# Altium PCB PCB_with_drawing.PcbDoc (part 4 of 5) (continued)
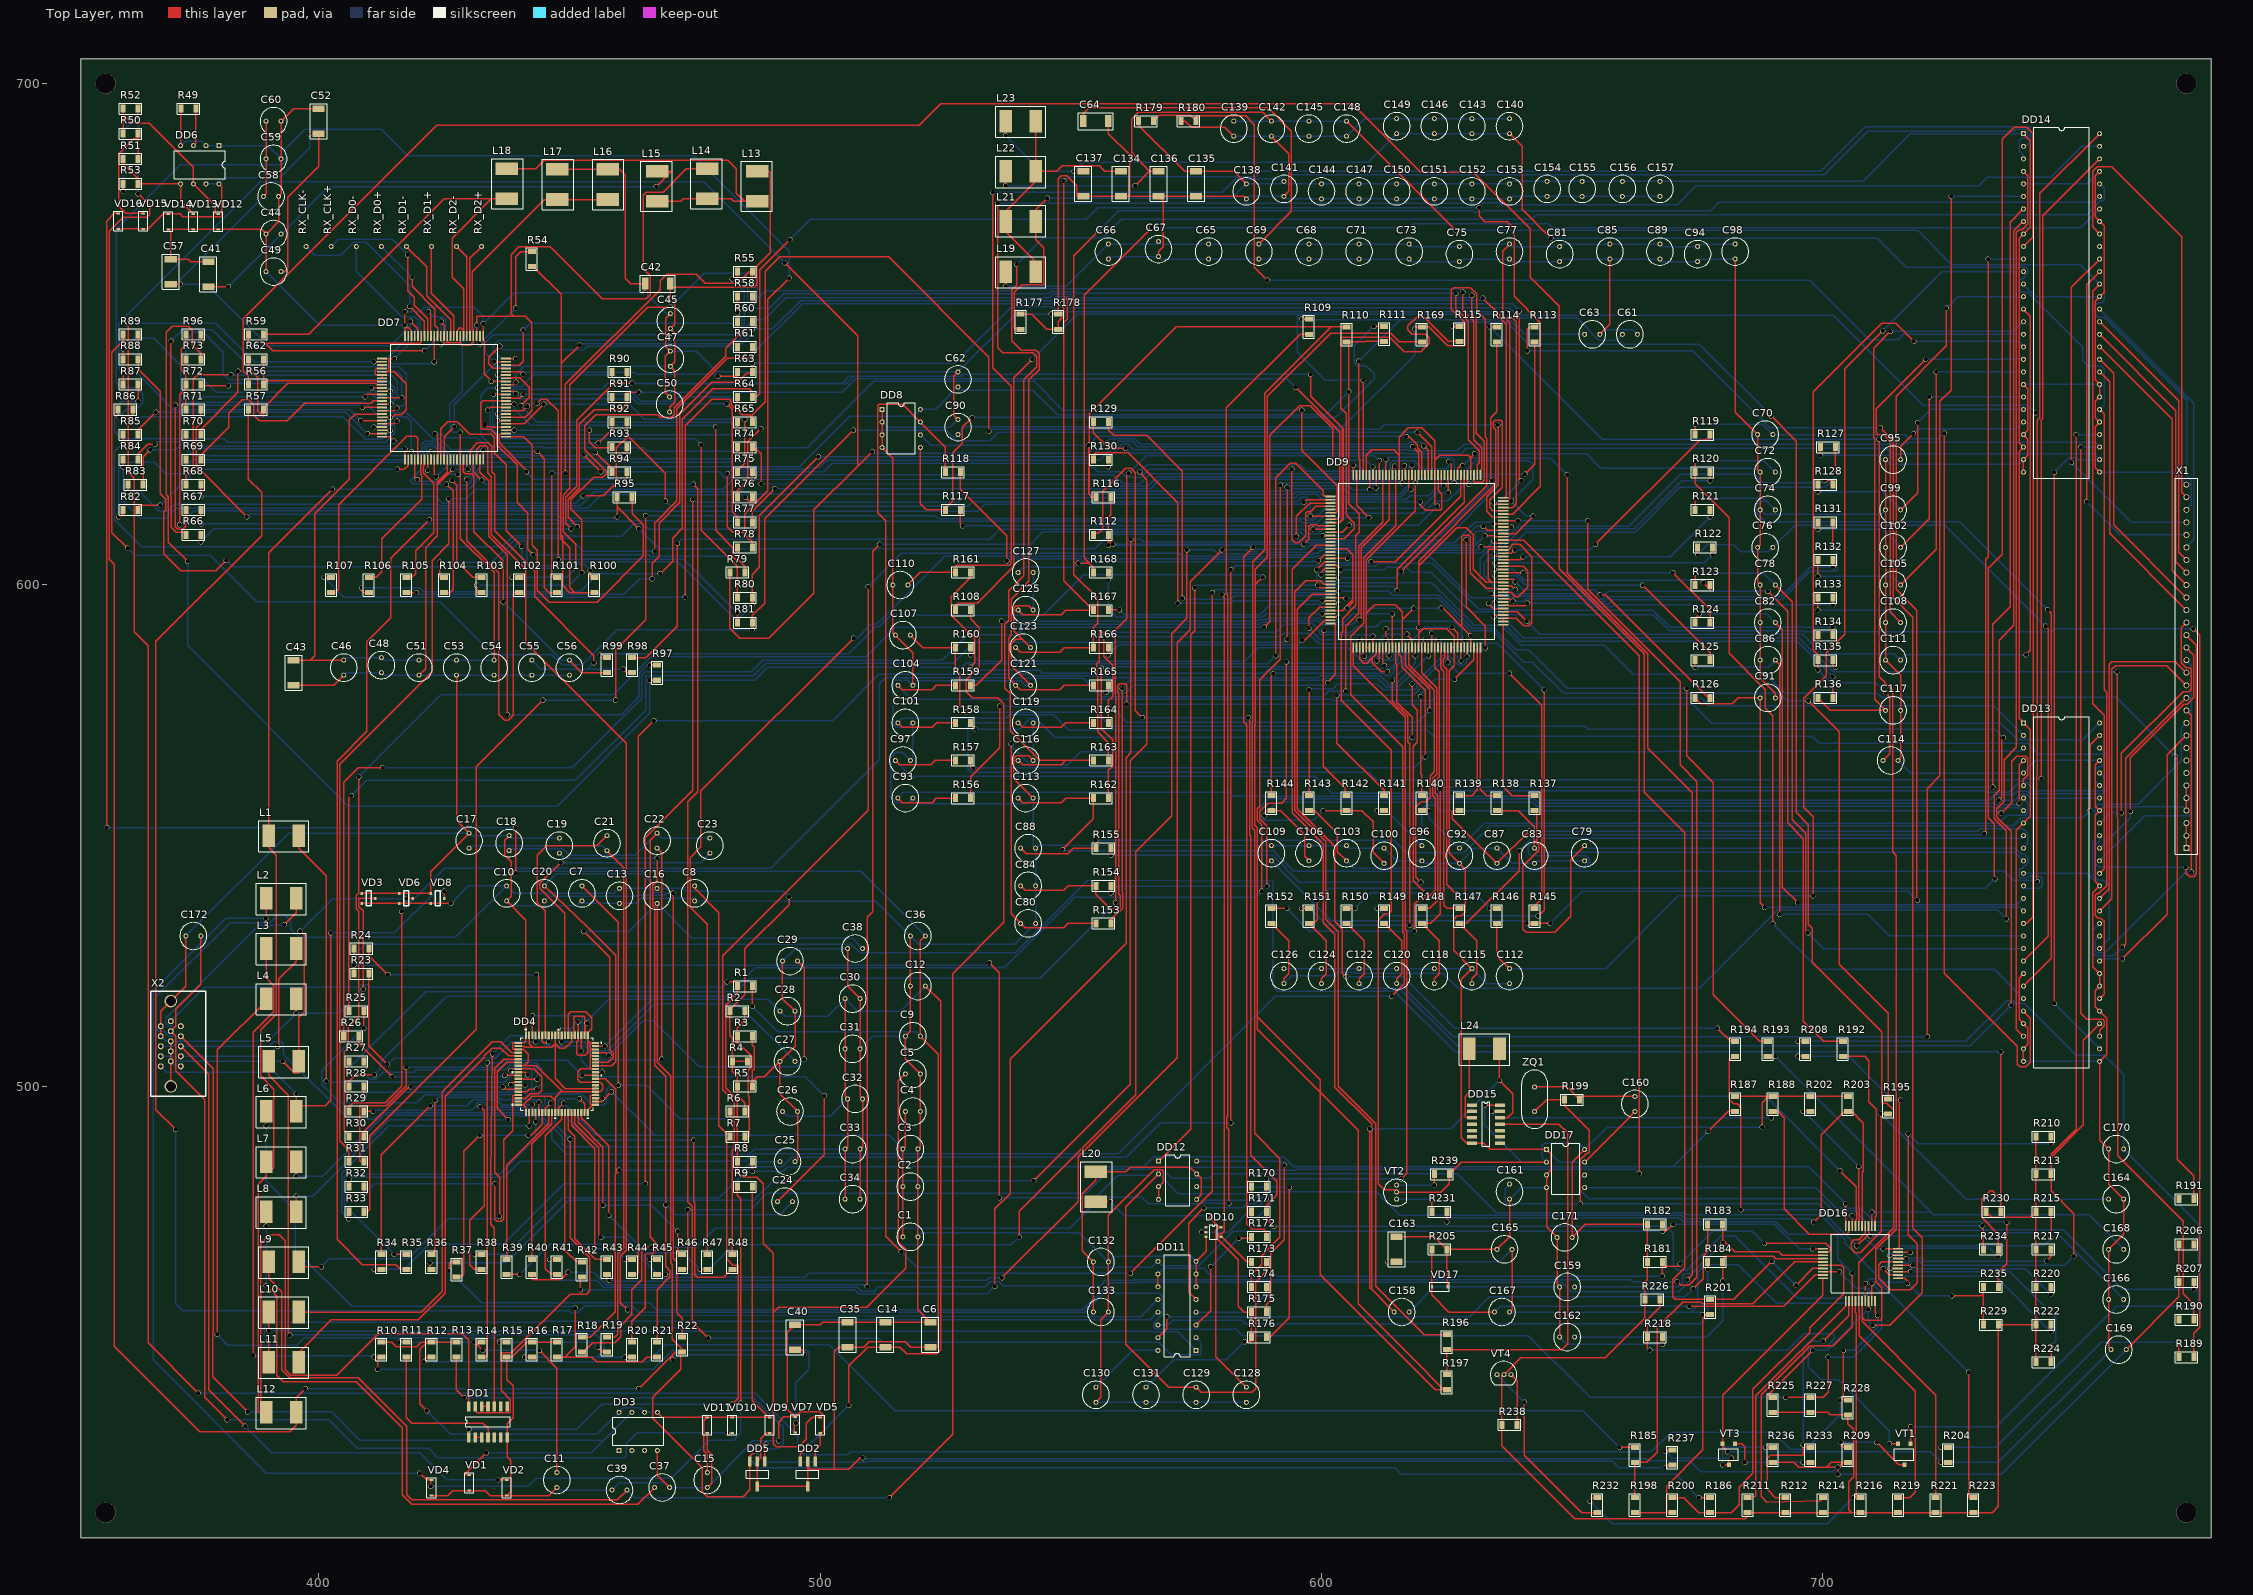
[diagram p0: Top Layer view]
## Nets (pads, with @x,y where several pads share a name; then routed paths per layer and width w, separated by ;. In a path a pad name is that pad's centre, name@x,y a point inside that pad or via, vN(x,y) a via of type N, cw(c..) or ccw(c..) an arc to the next point about the centre after c; other vN are vias at no path point) (continued)
NetDD9_50: DD9.50 R161.2 | length 110.2
  Top Layer w0.25: v1(529.996,583.641) 530.885,584.53 530.885,589.28 526.161,594.004 526.161,597.684 530,601.523 R161.2@530,602.5 ; DD9.50@612.2,587.5 612.2,584.24 v1(612.546,583.894)
  Bottom Layer w0.25: v1(529.996,583.641) 530.606,583.032 543.687,583.032 544.301,582.418 588.667,582.418 589.487,583.239 611.89,583.239 v1(612.546,583.894)
NetDD9_52: DD9.52 R160.2 | length 90.3
  Top Layer w0.25: v1(530,586.051) R160.2@530,587.5 ; v1(613.5,585.876) DD9.52@613.5,587.5
  Bottom Layer w0.25: v1(530,586.051) 530.415,586.051 531.67,584.796 584.669,584.796 587.375,587.502 605.364,587.502 607.996,584.87 609.092,584.87 609.583,585.361 609.583,585.732 610.108,586.257 613.119,586.257 v1(613.5,585.876)
NetDD9_53: DD9.53 R159.2 | length 102.1
  Top Layer w0.25: R159.2@530,580 530,579.984 531.19,579.984 536.194,584.987 v1(536.194,592.785) ; DD9.53@614.15,587.5 v1(614.15,594.258)
  Bottom Layer w0.25: v1(536.194,592.785) 587.052,592.785 587.299,593.032 588.973,593.032 589.336,593.395 599.567,593.395 600.435,592.527 604.515,592.527 606.247,594.258 v1(614.15,594.258)
NetDD9_54: DD9.54 R158.2 | length 110.4
  Top Layer w0.25: R158.2@530,572.5 530,572.211 v1(530.94,571.271) ; DD9.54@614.8,587.5 614.8,584.354 615.034,584.12 615.034,576.658 618.058,573.634 v1(618.058,569.62)
  Bottom Layer w0.25: v1(530.94,571.271) 539.852,571.271 541.959,573.379 543.052,573.379 546.811,569.62 v1(618.058,569.62)
NetDD9_55: DD9.55 R157.2 | length 116.6
  Top Layer w0.25: R157.2@530,565 530,564.08 v1(530.504,563.575) ; DD9.55@615.45,587.5 615.45,586.156 616.017,585.589 616.017,583.701 620.674,579.044 v1(620.674,565.734)
  Bottom Layer w0.25: v1(530.504,563.575) 618.515,563.575 v1(620.674,565.734)
NetDD9_57: DD9.57 R156.2 | length 123.3
  Top Layer w0.25: R156.2@530,557.5 530,561.746 535.788,567.534 v1(535.788,575.843) ; DD9.57@616.75,587.5 616.75,583.971 621.563,579.158 v1(621.563,575.031)
  Bottom Layer w0.25: v1(535.788,575.843) 557.989,575.843 561.161,572.671 619.204,572.671 v1(621.563,575.031)
NetDD9_58: DD9.58 R155.2 | length 116.8
  Top Layer w0.25: R155.2@558,547.5 558,546.087 v1(558.013,546.075) ; DD9.58@617.4,587.5 617.4,584.078 622.452,579.025 622.452,562.733 621.657,561.938 621.657,557.667 620.776,556.786 619.854,556.786 618.82,555.752 618.82,541.757 v1(619.836,540.741)
  Bottom Layer w0.25: v1(558.013,546.075) 590.245,546.075 595.579,540.741 v1(619.836,540.741)
NetDD9_59: DD9.59 R154.2 | length 119.4
  Top Layer w0.25: R154.2@558,540 558,538.594 v1(558.013,538.582) ; v1(589.102,539.928) 589.102,551.977 587.69,553.39 587.69,554.853 589.351,556.514 592.074,556.514 592.988,557.428 v1(592.988,584.683) ; v1(617.034,590.194) 618.05,589.178 DD9.59@618.05,587.5
  Bottom Layer w0.25: v1(558.013,538.582) 559.359,539.928 v1(589.102,539.928) ; v1(592.988,584.683) 593.319,584.352 609.6,584.352 610.159,584.911 610.159,585.47 610.442,585.753 611.526,585.753 612.282,584.997 614.172,584.997 614.509,585.335 614.509,586.399 613.432,587.477 612.648,587.477 611.962,588.162 611.962,589.509 612.648,590.194 v1(617.034,590.194)
NetDD9_60: DD9.60 R153.2 | length 113.9
  Top Layer w0.25: R153.2@558,532.5 558,533.197 560.339,535.536 560.339,538.513 560.222,538.63 v1(560.222,579.399) ; v1(618.693,585.876) 618.7,585.883 DD9.60@618.7,587.5
  Bottom Layer w0.25: v1(560.222,579.399) 561.786,580.963 600.339,580.963 600.772,581.396 611.249,581.396 613.054,579.591 615.247,579.591 617.759,582.103 617.759,583.434 618.693,584.368 v1(618.693,585.876)
NetDD9_62: DD9.62 R152.2 | length 91.2
  Top Layer w0.25: R152.2@590,535.5 v1(593.082,535.5) ; v1(618.515,530.987) 618.515,536.321 619.795,537.601 621.157,537.601 622.704,539.148 622.704,557.461 622.162,558.004 622.162,561.434 622.956,562.229 622.956,579.526 620,582.483 DD9.62@620,587.5
  Bottom Layer w0.25: v1(593.082,535.5) 597.595,530.987 v1(618.515,530.987)
NetDD9_63: DD9.63 R151.2 | length 88.4
  Top Layer w0.25: v1(596.062,535.508) 596.07,535.5 R151.2@597.5,535.5 ; v1(614.147,580.974) 614.147,576.832 617.179,573.8 617.179,568.741 617.626,568.294 v1(617.626,532.13) ; v1(620.649,589.128) v1(620.649,589.128) DD9.63@620.65,587.5
  Bottom Layer w0.25: v1(596.062,535.508) 597.637,535.508 601.015,532.13 v1(617.626,532.13) ; v1(614.147,580.974) 616.438,583.266 616.438,586.949 616.991,587.502 619.023,587.502 v1(620.649,589.128)
NetDD9_64: DD9.64 R150.2 | length 68.9
  Top Layer w0.25: R150.2@605,535.5 v1(606.679,535.5) ; v1(618.058,580.288) 618.058,576.097 619.1,575.056 619.1,568.655 618.287,567.842 618.287,540.969 v1(620.649,538.607) ; DD9.64@621.3,587.5 621.3,585.886 v1(621.309,585.876)
  Bottom Layer w0.25: v1(606.679,535.5) 609.786,538.607 v1(620.649,538.607) ; v1(618.058,580.288) 618.287,580.517 618.287,582.854 v1(621.309,585.876)
NetDD9_65: DD9.65 R149.2 | length 111.3
  Top Layer w0.25: v1(611.114,535.508) 611.122,535.5 R149.2@612.5,535.5 ; v1(621.944,590.423) 621.95,590.417 DD9.65@621.95,587.5 ; v1(643.23,534.01) 644.387,535.167 v1(644.387,579.08)
  Bottom Layer w0.25: v1(611.114,535.508) 612.613,534.01 v1(643.23,534.01) ; v1(621.944,590.423) 621.944,588.67 622.935,587.68 630.428,587.68 631.114,588.366 635.102,588.366 v1(644.387,579.08)
NetDD9_66: DD9.66 R148.2 | length 55.2
  Top Layer w0.25: R148.2@620,535.5 621.604,535.5 623.208,537.105 623.208,557.965 622.666,558.508 622.666,560.93 623.46,561.725 623.46,582.654 622.6,583.515 DD9.66@622.6,587.5
NetDD9_68: DD9.68 R147.2 | length 54.9
  Top Layer w0.25: DD9.68@623.9,587.5 623.813,585.902 623.813,583.378 624.428,582.763 624.428,536.166 625.094,535.5 R147.2@627.5,535.5
NetDD9_69: DD9.69 R146.2 | length 59.6
  Top Layer w0.25: DD9.69@624.55,587.5 624.55,585.485 624.317,585.252 624.317,583.882 624.973,583.226 624.973,540.278 v1(626.923,538.328) ; v1(633.578,535.5) R146.2@635,535.5
  Bottom Layer w0.25: v1(626.923,538.328) 630.75,538.328 v1(633.578,535.5)
NetDD9_70: DD9.70 R145.2 | length 66.2
  Top Layer w0.25: v1(625.196,584.606) 625.2,584.611 DD9.70@625.2,587.5 ; v1(637.489,582.422) 643.883,576.028 643.883,537.457 642.5,536.074 R145.2@642.5,535.5
  Bottom Layer w0.25: v1(625.196,584.606) 627.38,582.422 v1(637.489,582.422)
NetDD9_73: DD9.73 R144.2 | length 71.1
  Top Layer w0.25: R144.2@590,558 590,581.974 v1(590.372,582.346) ; v1(626.028,591.545) 627.15,590.423 DD9.73@627.15,587.5
  Bottom Layer w0.25: v1(590.372,582.346) 590.434,582.408 612.213,582.408 612.768,581.854 613.664,581.854 614.399,582.588 614.399,583.251 615.848,584.701 615.848,587.778 616.139,588.068 617.202,588.068 620.678,591.545 v1(626.028,591.545)
NetDD9_74: DD9.74 R143.2 | length 59.5
  Top Layer w0.25: R143.2@597.5,558 597.51,558 v1(597.51,579.13) ; DD9.74@627.8,587.5 627.8,584.948 v1(627.863,584.886)
  Bottom Layer w0.25: v1(597.51,579.13) 597.724,579.345 602.312,579.345 603.281,580.314 611.066,580.314 612.292,579.087 618.625,579.087 619.127,579.589 619.127,580.823 624.75,586.447 626.302,586.447 v1(627.863,584.886)
NetDD9_75: DD9.75 R142.2 | length 68.4
  Top Layer w0.25: v1(600.532,590.956) 600.339,590.763 600.339,563.845 604.698,559.486 604.698,558 R142.2@605,558 ; DD9.75@628.45,587.5 v1(628.45,589.128)
  Bottom Layer w0.25: v1(600.532,590.956) 600.532,590.571 605.837,590.571 606.908,591.642 610.921,591.642 612.013,592.734 626.516,592.734 627.939,591.312 627.939,589.639 v1(628.45,589.128)
NetDD9_76: DD9.76 R141.2 | length 57.7
  Top Layer w0.25: v1(603.047,577.962) 603.047,568.477 612.5,559.024 R141.2@612.5,558 ; v1(629.016,585.792) 629.1,585.876 DD9.76@629.1,587.5
  Bottom Layer w0.25: v1(603.047,577.962) 618.309,577.962 619.643,579.296 619.643,580.328 625.242,585.927 627.329,583.997 628.396,583.997 629.016,584.616 v1(629.016,585.792)
NetDD9_78: DD9.78 R140.2 | length 36.2
  Top Layer w0.25: v1(619.785,577.748) 619.785,562.381 620,562.167 R140.2@620,558 ; v1(626.491,581.152) 630.4,585.061 DD9.78@630.4,587.5
  Bottom Layer w0.25: v1(619.785,577.748) 619.785,578.256 622.681,581.152 v1(626.491,581.152)
NetDD9_79: DD9.79 R139.2 | length 32.4
  Top Layer w0.25: R139.2@627.5,558 629.92,558 631.05,559.13 DD9.79@631.05,587.5
NetDD9_80: DD9.80 R138.2 | length 32.1
  Top Layer w0.25: DD9.80@631.7,587.5 631.7,559.268 632.968,558 R138.2@635,558
NetDD9_81: DD9.81 R137.2 | length 39.3
  Top Layer w0.25: DD9.81@636.25,592.05 636.245,592.05 636.245,559.803 638.048,558 R137.2@642.5,558
NetDD9_84: DD9.84 R136.2 | length 78.8
  Top Layer w0.25: v1(634.365,593.661) 634.704,594 DD9.84@636.25,594 ; R136.2@702,577.5 v1(702,581.656)
  Bottom Layer w0.25: v1(634.365,593.661) 634.962,593.661 639.877,588.747 694.909,588.747 v1(702,581.656)
NetDD9_85: DD9.85 R135.2 | length 72.5
  Top Layer w0.25: DD9.85@636.25,594.65 639.028,594.65 v1(640.944,592.734) ; R135.2@702,585 702,584.078 v1(702.513,583.565)
  Bottom Layer w0.25: v1(640.944,592.734) 643.535,590.144 695.935,590.144 v1(702.513,583.565)
NetDD9_86: DD9.86 R134.2 | length 75.5
  Top Layer w0.25: v1(633.324,596.316) 634.339,595.3 DD9.86@636.25,595.3 ; R134.2@702,590 v1(702,591.541)
  Bottom Layer w0.25: v1(633.324,596.316) 633.991,595.648 636.061,595.648 636.705,595.004 666.107,595.004 669.57,591.541 v1(702,591.541)
NetDD9_87: DD9.87 R133.2 | length 67.9
  Top Layer w0.25: DD9.87@636.25,595.95 637.286,595.95 637.377,595.859 640.537,595.859 v1(641.071,596.392) ; R133.2@702,597.5 702,596.067 v1(702.005,596.062)
  Bottom Layer w0.25: v1(641.071,596.392) 652.443,596.392 653.157,595.677 657.94,595.677 658.324,596.062 v1(702.005,596.062)
NetDD9_88: DD9.88 R132.2 | length 74.2
  Top Layer w0.25: v1(634.619,596.6) DD9.88@636.25,596.6 ; v1(702,603.58) R132.2@702,605
  Bottom Layer w0.25: v1(634.619,596.6) 635.371,596.6 636.447,597.676 639.588,597.676 639.688,597.775 653.076,597.775 654.166,596.685 656.336,596.685 657.348,597.697 691.55,597.697 697.433,603.58 v1(702,603.58)
NetDD9_89: DD9.89 R131.2 | length 80.2
  Top Layer w0.25: DD9.89@636.25,597.25 637.673,597.25 v1(638.16,596.763) ; v1(702,607.593) R131.2@702,612.5
  Bottom Layer w0.25: v1(638.16,596.763) 640.192,596.763 640.7,597.271 652.782,597.271 653.872,596.181 657.225,596.181 658.122,597.078 691.769,597.078 697.382,602.691 702.589,602.691 702.894,602.996 702.894,606.699 v1(702,607.593)
NetDD9_90: DD9.90 R128.2 | length 89.5
  Top Layer w0.25: v1(633.864,598.367) 634.33,597.9 DD9.90@636.25,597.9 ; v1(700.405,620.852) 702,620.852 R128.2@702,620
  Bottom Layer w0.25: v1(633.864,598.367) 631.657,600.573 631.657,605.291 633.629,607.263 634.873,607.263 639.343,611.734 661.318,611.734 671.631,622.046 686.333,622.046 688.035,620.344 699.897,620.344 v1(700.405,620.852)
NetDD9_93: DD9.93 R127.2 | length 95.8
  Top Layer w0.25: DD9.93@636.25,599.85 637.892,599.85 v1(638.683,599.059) ; v1(702.5,622.217) R127.2@702.5,627.5
  Bottom Layer w0.25: v1(638.683,599.059) 635.229,599.059 632.445,601.843 632.445,604.378 633.4,605.333 635.508,605.333 640.715,610.54 662.55,610.54 671.465,619.455 700.481,619.455 702.5,621.474 v1(702.5,622.217)
NetDD9_95: DD9.95 R126.2 | length 51.2
  Top Layer w0.25: DD9.95@636.25,601.15 638.124,601.15 v1(638.632,600.642) ; v1(655.549,598.068) 656.565,598.068 676.834,577.799 677.5,577.799 R126.2@677.5,577.5
  Bottom Layer w0.25: v1(638.632,600.642) 640.19,599.084 654.533,599.084 v1(655.549,598.068)
NetDD9_96: DD9.96 R125.2 | length 52.3
  Top Layer w0.25: v1(634.619,601.802) 634.621,601.8 DD9.96@636.25,601.8 ; v1(664.038,599.948) 677.5,586.486 R125.2@677.5,585
  Bottom Layer w0.25: v1(634.619,601.802) 638.859,601.802 640.713,599.948 v1(664.038,599.948)
NetDD9_97: DD9.97 R124.2 | length 46.9
  Top Layer w0.25: DD9.97@636.25,602.45 640.194,602.45 v1(640.207,602.463) ; v1(670.103,602.463) 677.5,595.065 R124.2@677.5,592.5
  Bottom Layer w0.25: v1(640.207,602.463) v1(670.103,602.463)
NetDD9_98: DD9.98 R123.2 | length 47.3
  Top Layer w0.25: v1(634.497,603.1) DD9.98@636.25,603.1 ; v1(676.107,600.471) 677.5,599.079 R123.2@677.5,600
  Bottom Layer w0.25: v1(634.497,603.1) 638.274,603.1 640.462,600.913 675.666,600.913 v1(676.107,600.471)
NetDD9_100: DD9.100 R122.2 | length 47.1
  Top Layer w0.25: v1(634.619,604.393) 634.626,604.4 DD9.100@636.25,604.4 ; v1(678,606.069) R122.2@678,607.5
  Bottom Layer w0.25: v1(634.619,604.393) 676.324,604.393 v1(678,606.069)
NetDD9_101: DD9.101 R121.2 | length 46.2
  Top Layer w0.25: DD9.101@636.25,605.05 639.635,605.05 v1(640.207,605.622) ; v1(677.494,613.562) 677.5,613.568 R121.2@677.5,615
  Bottom Layer w0.25: v1(640.207,605.622) 669.554,605.622 v1(677.494,613.562)
NetDD9_102: DD9.102 R120.2 | length 52.9
  Top Layer w0.25: v1(634.404,606.222) 634.926,605.7 DD9.102@636.25,605.7 ; v1(677.494,620.751) 677.5,620.756 R120.2@677.5,622.5
  Bottom Layer w0.25: v1(634.404,606.222) 634.822,606.222 639.83,611.23 662.336,611.23 671.857,620.751 v1(677.494,620.751)
NetDD9_103: DD9.103 R119.2 | length 51.4
  Top Layer w0.25: DD9.103@636.25,606.35 637.869,606.35 v1(638.528,607.009) ; v1(654.634,608.101) 675.437,628.904 677.5,629.158 R119.2@677.5,630
  Bottom Layer w0.25: v1(638.528,607.009) 653.542,607.009 v1(654.634,608.101)
NetDD10_4: DD10.4 R173.1 | length 8.1
  Top Layer w0.25: DD10.4@580,470 580.106,470 585.108,464.998 586,464.998 R173.1@586,465
NetDD11_3: DD11.3 R172.2 | length 23.6
  Top Layer w0.25: DD11.3@575,452.42 577.875,455.295 v1(577.875,464.033) ; v1(583.54,469.697) 586,469.697 R172.2@586,470
  Bottom Layer w0.25: v1(577.875,464.033) v1(583.54,469.697)
NetDD11_4: DD11.4 R174.1 | length 16.9
  Top Layer w0.25: v1(589.001,458.572) R174.1@589,460
  Bottom Layer w0.25: DD11.4@575,454.96 585.389,454.96 v1(589.001,458.572)
NetDD11_5: DD11.5 R171.2 | length 42.8
  Top Layer w0.25: DD11.5@575,457.5 573.532,458.968 573.532,472.745 v1(576.555,475.767) ; v1(586,473.583) R171.2@586,475
  Bottom Layer w0.25: v1(576.555,475.767) 584.398,475.767 585.236,476.606 586.796,476.606 588.626,478.436 589.534,478.436 589.89,478.08 589.89,476.504 586.969,473.583 v1(586,473.583)
NetDD12_6: DD12.6 R176.1 | length 50.7
  Top Layer w0.25: R176.1@589,450 589.725,450 593.598,453.873 v1(593.598,479.857)
  Bottom Layer w0.25: DD12.6@575.12,480 576.132,480 576.275,479.857 v1(593.598,479.857)
NetDD12_8: DD12.8 R175.1 | length 48.6
  Top Layer w0.25: R175.1@589,455 589,456.412 589.89,457.302 589.89,466.75 592.557,469.417 592.557,484.22 v1(592.613,484.276)
  Bottom Layer w0.25: DD12.8@575.12,485.08 591.81,485.08 v1(592.613,484.276)
NetDD13_17: DD13.17 R177.1 R178.2 | length 321
  Top Layer w0.25: R177.1@540,654 542.239,654 545.239,651 R178.2@547.497,651 ; R178.2@547.5,651 R178.2@547.497,651 ; v1(548.386,656.107) 548.386,655.483 548.625,655.244 548.625,653.175 548.132,653.175 547.497,652.54 R178.2@547.497,651 ; DD13.17@740,532.5 740.664,532.5 741.893,533.729 741.893,542.214 741.909,542.229 741.909,633.832 v1(742.417,634.34)
  Bottom Layer w0.25: v1(548.386,656.107) 549.173,655.32 637.464,655.32 639.003,653.781 702.097,653.781 719.988,635.889 740.867,635.889 v1(742.417,634.34)
NetDD13_37: DD13.37 X1.10 | length 54.6
  Top Layer w0.25: v1(759.739,525.424) 768.68,534.365 768.68,566.18 X1.10@772.5,570
  Bottom Layer w0.25: DD13.37@755.2,525 755.624,525.424 v1(759.739,525.424)
NetDD13_38: DD13.38 X1.11 | length 60.2
  Bottom Layer w0.25: DD13.38@755.2,527.5 757.098,529.398 757.098,539.877 755.904,541.071 754.888,541.071 753.817,542.142 753.817,548.883 754.304,549.37 754.304,555.752 754.863,556.311 762.864,556.311 771.5,564.947 771.5,571.5 X1.11@772.5,572.5
NetDD13_39: DD13.39 X1.12 | length 62.1
  Top Layer w0.25: X1.12@772.5,575 773.481,574.019 v1(773.481,542.722)
  Bottom Layer w0.25: DD13.39@755.2,530 754.304,529.104 754.304,526.948 754.634,526.618 756.226,526.618 772.33,542.722 v1(773.481,542.722)
NetDD13_40: DD13.40 X1.13 | length 68.4
  Top Layer w0.25: v1(759.739,527.787) 760.425,528.472 760.425,565.425 X1.13@772.5,577.5
  Bottom Layer w0.25: DD13.40@755.2,532.5 753.796,531.096 753.796,526.618 754.38,526.034 757.987,526.034 v1(759.739,527.787)
NetDD13_41: DD13.41 X1.14 | length 66
  Top Layer w0.25: DD13.41@755.2,535 757.657,537.457 757.657,583.184 758.368,583.895 768.605,583.895 X1.14@772.5,580
NetDD13_42: DD13.42 X1.15 | length 64
  Top Layer w0.25: DD13.42@755.2,537.5 757.123,539.423 757.123,584.2 757.631,584.708 770.292,584.708 X1.15@772.5,582.5
NetDD13_45: DD13.45 X1.16 | length 53.2
  Bottom Layer w0.25: DD13.45@755.2,545 764.199,553.999 773.176,553.999 773.481,554.304 773.481,584.019 X1.16@772.5,585
NetDD13_46: DD13.46 X1.17 | length 48.8
  Top Layer w0.25: v1(761.314,554.863) 761.314,565.556 772.008,576.25 772.668,576.25 773.983,577.565 773.983,586.017 X1.17@772.5,587.5
  Bottom Layer w0.25: DD13.46@755.2,547.5 761.314,553.614 v1(761.314,554.863)
NetDD13_47: DD13.47 X1.18 | length 76.5
  Top Layer w0.25: v1(772.414,543.662) 772.414,542.544 773.125,541.833 773.938,541.833 774.487,542.382 774.487,588.013 X1.18@772.5,590
  Bottom Layer w0.25: DD13.47@755.2,550 755.2,548.945 754.321,548.066 754.321,544.432 755.091,543.662 v1(772.414,543.662)
NetDD13_48: DD13.48 X1.19 | length 51.2
  Top Layer w0.25: v1(759.536,554.533) 759.536,566.42 771.855,578.739 772.998,578.739 773.479,579.22 773.479,583.184 773.184,583.479 772.49,583.479 771.5,584.47 771.5,591.5 X1.19@772.5,592.5
  Bottom Layer w0.25: DD13.48@755.2,552.5 757.233,554.533 v1(759.536,554.533)
NetDD14_17: DD14.17 R179.1 R180.2 | length 211.2
  Top Layer w0.25: R179.1@566.5,692.5 567.649,693.649 573.851,693.649 R180.2@575,692.5 575,693.572 584.86,693.572 586.613,691.82 586.613,663.372 v1(589.204,660.781)
  Bottom Layer w0.25: v1(589.204,660.781) 697.382,660.781 709.244,648.919 714.995,648.919 716.153,650.078 717.931,650.078 718.009,650 DD14.17@740,650
NetDD14_37: DD14.37 X1.20 | length 54.7
  Top Layer w0.25: DD14.37@755.2,642.5 757.199,640.501 757.199,610.301 X1.20@772.5,595
NetDD14_38: DD14.38 X1.21 | length 54.7
  Top Layer w0.25: DD14.38@755.2,645 757.987,642.213 757.987,612.013 X1.21@772.5,597.5
NetDD14_39: DD14.39 X1.22 | length 54.7
  Top Layer w0.25: DD14.39@755.2,647.5 769.645,633.055 769.645,602.855 X1.22@772.5,600
NetDD14_40: DD14.40 X1.23 | length 54.7
  Top Layer w0.25: DD14.40@755.2,650 770.407,634.793 770.407,604.593 X1.23@772.5,602.5
NetDD14_41: DD14.41 X1.24 | length 54.7
  Top Layer w0.25: DD14.41@755.2,652.5 770.966,636.734 770.966,606.534 X1.24@772.5,605
NetDD14_42: DD14.42 X1.25 | length 55.9
  Bottom Layer w0.25: DD14.42@755.2,655 773.983,636.217 773.983,608.983 X1.25@772.5,607.5
NetDD14_45: DD14.45 X1.26 | length 69.6
  Top Layer w0.25: v1(752.602,616.61) 752.602,659.902 DD14.45@755.2,662.5
  Bottom Layer w0.25: v1(752.602,616.61) 759.212,610 X1.26@772.5,610
NetDD14_46: DD14.46 X1.27 | length 70.7
  Top Layer w0.25: v1(749.579,624.459) 749.579,659.379 DD14.46@755.2,665
  Bottom Layer w0.25: v1(749.579,624.459) 761.538,612.5 X1.27@772.5,612.5
NetDD14_47: DD14.47 X1.28 | length 63.1
  Bottom Layer w0.25: DD14.47@755.2,667.5 756.082,666.618 756.082,656.844 755.574,656.336 754.812,656.336 754.304,655.828 754.304,653.974 754.888,653.39 756.082,653.39 772.541,636.93 772.541,621.817 773.479,620.879 773.479,615.979 X1.28@772.5,615
NetDD14_48: DD14.48 X1.29 | length 89.3
  Top Layer w0.25: DD14.48@755.2,670 753.796,671.404 753.796,682.498 754.685,683.387 757.631,683.387 771.521,669.497 771.521,618.479 X1.29@772.5,617.5
NetDD15_3: DD15.3 L24.2 | length 15.3
  Top Layer w0.25: L24.2@629.5,507.5 629.5,498.792 628.65,497.942 628.65,493.984 628.904,493.73 DD15.3@630,493.73
NetDD15_11: DD15.11 R196.1 R197.1 | length 85.8
  Top Layer w0.25: R197.1@625,442.5 R196.1@625,447.5 647.881,447.5 649.097,448.716 649.097,490.728 647.365,492.46 DD15.11@635.6,492.46
NetDD15_13: DD15.13 DD16.9 R188.1 | length 96.8
  Top Layer w0.25: v1(633.984,495) DD15.13@635.6,495 ; v1(689.712,493.7) 689.712,495 R188.1@690,495 691.053,495 692.277,493.776 692.277,475.59 697.306,470.56 704.85,470.56 705.2,470.91 DD16.9@705.2,472.15
  Bottom Layer w0.25: v1(633.984,495) 635.284,493.7 v1(689.712,493.7)
NetDD16_1: DD16.1 R192.1 | length 39.2
  Top Layer w0.25: R192.1@704,506 708.33,506 709.193,505.136 709.193,496.9 710.641,495.452 710.641,474.193 710.4,473.951 DD16.1@710.4,472.15
NetDD16_6: DD16.6 R202.1 | length 29
  Top Layer w0.25: v1(696.062,494.995) 696.066,495 R202.1@697.5,495 ; DD16.6@707.15,472.15 707.15,472.971 707.233,473.054 707.233,475.677 707.15,475.76 v1(707.15,484.059)
  Bottom Layer w0.25: v1(696.062,494.995) 696.214,494.995 v1(707.15,484.059)
NetDD16_15: DD16.15 R185.2 R198.2 | length 75.9
  Top Layer w0.25: R198.2@662.5,418 662.5,421.488 R185.2@662.5,425 664.903,425 666.979,427.076 666.979,451.932 672.033,456.987 675.726,456.987 676.046,456.667 686.054,456.667 694.387,465 DD16.15@700,465
NetDD16_16: DD16.16 R186.2 R200.2 | length 75.5
  Top Layer w0.25: R200.2@670,418 672.236,418 675.236,415 R186.2@677.5,415 681.751,415 683.311,416.56 683.311,420.065 686.054,422.808 686.054,439.598 697.357,450.901 697.357,451.841 704.19,458.673 704.19,463.804 703.644,464.35 DD16.16@700,464.35
NetDD16_23: DD16.23 R214.2 R231.1 | length 158.5
  Top Layer w0.25: v1(625,472.999) R231.1@625,475 ; R214.2@700,418 699.694,418 699.694,417.322 688.848,417.043 687.68,418.211 687.68,438.48 697.484,448.285 702.056,448.285 705.85,452.079 DD16.23@705.85,457.2 v1(705.85,462.701)
  Bottom Layer w0.25: v1(625,472.999) 625.798,473.797 671.421,473.797 672.219,472.999 690.575,472.999 693.061,470.513 702.372,470.513 702.914,469.972 702.914,465.637 v1(705.85,462.701)
NetDD16_24: DD16.24 R216.2 R232.1 | length 99.4
  Top Layer w0.25: v1(653.567,417.22) 653.567,417.576 653.991,418 R232.1@655,418 ; DD16.24@706.5,457.2 706.5,454.914 706.653,454.761 706.653,418.58 v1(706.073,418) R216.2@707.5,418
  Bottom Layer w0.25: v1(653.567,417.22) 658.038,412.75 700.823,412.75 v1(706.073,418)
NetDD16_40: DD16.40 R207.2 R208.1 | length 136.2
  Top Layer w0.25: v1(695.071,506.019) 695.071,506 R208.1@696.5,506 ; v1(712.001,467.589) 712.013,467.6 DD16.40@714.95,467.6 715.264,467.6 715.264,497.027 v1(715.518,497.281) ; v1(773.989,459.562) 774,459.573 R207.2@774,461
  Bottom Layer w0.25: v1(695.071,506.019) 705.18,506.019 713.918,497.281 v1(715.518,497.281) ; v1(712.001,467.589) 710.617,467.589 708.559,469.646 708.559,471.094 708.741,471.276 732.644,471.276 732.767,471.399 747.903,471.399 759.739,459.562 v1(773.989,459.562)
NetDD16_42: R189.1 R204.2 | length 60.5
  Top Layer w0.25: v1(723.57,427.99) 723.58,428 R204.2@725,428 ; R189.1@771,446 v1(771,448.945)
  Bottom Layer w0.25: v1(723.57,427.99) 734.517,427.99 755.472,448.945 v1(771,448.945)
NetDD16_43: R190.1
NetDD16_44: R191.1
NetDD17_5: DD17.5 R235.2 | length 100.6
  Top Layer w0.25: R235.2@735,460 735,462.915 736.676,464.591 v1(736.676,472.897)
  Bottom Layer w0.25: DD17.5@652.5,479.8 698.531,479.8 702.654,475.677 707.558,475.677 710.196,473.04 736.534,473.04 v1(736.676,472.897)
NetDD17_6: DD17.6 R234.2 | length 91.3
  Top Layer w0.25: v1(731.774,472.161) 732,471.935 R234.2@732,467.5
  Bottom Layer w0.25: DD17.6@652.5,482.34 651.612,481.452 651.612,479.273 653.288,477.596 699.639,477.596 702.062,475.173 706.374,475.173 709.387,472.161 v1(731.774,472.161)
NetL2_2: L2.2 R9.1 VD4.2 | length 288.4
  Top Layer w0.25: v1(389.484,533.527) 389.5,533.543 L2.2@389.5,537.5 ; v1(420.154,422.859) 421.513,421.5 VD4.2@422.351,421.5 ; v1(422.351,420.218) VD4.2@422.351,421.5 ; VD4.2@422.5,421.5 VD4.2@422.351,421.5 ; R9.1@483.5,480 483.5,478.257 484.149,477.607 v1(484.149,436.855)
  Bottom Layer w0.25: v1(389.484,533.527) 381.432,533.527 367.005,519.1 367.005,445.44 389.585,422.859 v1(420.154,422.859) ; v1(422.351,420.218) 441.706,420.218 443.357,421.869 470.332,421.869 477.85,429.387 482.752,429.387 484.149,430.784 v1(484.149,436.855)
NetL3_2: L3.2 R10.1 VD7.2 | length 216.7
  Top Layer w0.25: v1(386.969,446.329) 386.969,510.803 391.075,514.909 391.075,520.075 389.5,521.65 L3.2@389.5,527.5 ; v1(411.073,446) R10.1@411.759,446 ; v1(411.759,443.56) R10.1@411.759,446 ; R10.1@412.5,446 R10.1@411.759,446 ; VD7.2@495,431 494.843,431 494.843,432.562 v1(495.148,432.867)
  Bottom Layer w0.25: v1(386.969,446.329) 410.744,446.329 v1(411.073,446) ; v1(411.759,443.56) 466.75,443.56 470.586,447.396 497.357,447.396 497.713,447.04 497.713,443.509 495.148,440.944 v1(495.148,432.867)
NetL4_2: L4.2 R15.2 R19.1 | length 152.9
  Top Layer w0.25: v1(379.755,450.52) 379.755,507.272 389.5,517.017 L4.2@389.5,517.5 ; v1(436.073,449) R15.2@437.5,449 ; v1(455.701,447.929) 456.63,447 R19.1@457.5,447
  Bottom Layer w0.25: v1(379.755,450.52) 381.889,448.386 395.58,448.386 397.104,449.91 435.163,449.91 v1(436.073,449) 454.63,449 v1(455.701,447.929)
NetL5_2: L5.2 R16.2 R20.1 | length 146.1
  Top Layer w0.25: L5.2@390,505 390,502.183 393.903,498.28 393.903,450.748 v1(394.259,450.393) ; v1(441.073,446) R16.2@442.5,446 ; v1(461.061,446) R20.1@462.5,446
  Bottom Layer w0.25: v1(394.259,450.393) 394.335,450.469 455.346,450.469 456.971,448.843 456.971,447.548 455.423,446 ; v1(441.073,446) 455.423,446 ; v1(461.061,446) 455.423,446
NetL6_2: L6.2 R17.2 R21.1 | length 122.1
  Top Layer w0.25: L6.2@389.5,495 389.5,492.125 v1(389.509,492.116) ; R17.2@447.5,446 449.124,446 ; v1(451.206,455.778) 451.206,448.081 449.124,446 ; R21.1@467.5,446 465.455,446 464.514,445.059 455.447,445.059 454.506,446 449.124,446
  Bottom Layer w0.25: v1(389.509,492.116) 389.509,481.101 395.351,475.259 395.351,467.36 406.603,456.108 450.875,456.108 v1(451.206,455.778)
NetR209_2: R209.2 VT1.3 | length 16.6
  Top Layer w0.25: v1(703.58,428.981) 703.58,428.508 704.088,428 R209.2@705,428 ; v1(710.692,428.981) 715.173,424.5 VT1.3@716.25,424.5
  Bottom Layer w0.25: v1(703.58,428.981) v1(710.692,428.981)
NetR218_2: R218.2 R226.1 VT1.2 | length 85.9
  Top Layer w0.25: v1(665.48,447.396) 665,447.876 R218.2@665,450 665,453.455 667.5,455.956 R226.1@667.5,457.5 ; v1(713.257,428.75) VT1.2@715,428.75
  Bottom Layer w0.25: v1(665.48,447.396) 692.861,447.396 696.138,450.672 702.128,450.672 702.31,449.686 700.899,448.275 697.484,448.275 697.088,447.878 697.088,444.109 699.719,441.477 703.123,441.477 713.257,431.343 v1(713.257,428.75)
NetR231_2: R231.2 VT2.1 | length 9.5
  Top Layer w0.25: R231.2@622,475 v1(622,477.5)
  Bottom Layer w0.25: VT2.1@615,477.5 v1(622,477.5)
NetR232_2: R232.2 VT4.1 | length 37.6
  Top Layer w0.25: v1(640.461,437.039) 640.461,426.481 651.942,415 R232.2@655,415
  Bottom Layer w0.25: VT4.1@635,442.5 v1(640.461,437.039)
NetR233_2: R233.2 VT3.1 | length 18.4
  Top Layer w0.25: VT3.1@682.5,428.75 683.768,428.75 684.428,428.09 v1(684.428,424.993) ; v1(696.062,424.993) 696.069,425 R233.2@697.5,425
  Bottom Layer w0.25: v1(684.428,424.993) v1(696.062,424.993)
NetR236_1: R236.1 R237.1 VT3.3 | length 31.5
  Top Layer w0.25: v1(668.579,427.228) 668.851,427.5 R237.1@670,427.5 ; v1(679.983,424.5) VT3.3@681.25,424.5 681.25,425.374 v1(681.758,425.882) ; v1(688.569,427.99) 688.579,428 R236.1@690,428
  Bottom Layer w0.25: v1(668.579,427.228) 669.925,425.882 679.983,425.882 ; v1(679.983,424.5) 679.983,425.882 ; v1(681.758,425.882) 679.983,425.882 ; v1(688.569,427.99) 680.237,427.99 679.983,427.736 679.983,425.882
NetR238_1: R238.1 VT4.3 | length 10.5
  Top Layer w0.25: VT4.3@637.8,442.5 639,441.3 R238.1@639,432.5
NetR239_1: R239.1 VT2.3 | length 9.7
  Top Layer w0.25: v1(622.5,480.3) R239.1@622.5,482.5
  Bottom Layer w0.25: VT2.3@615,480.3 v1(622.5,480.3)
O3_3V: C43.1 C46.2 C48.2 C51.2 C53.2 C54.2 DD7.18 DD7.29 DD7.43 DD7.57 DD7.78 L14.2 | length 305.4
  Top Layer w0.25: C43.1@395,585 398.348,585 ; C46.2@405,585 398.348,585 ; DD7.18@412.65,634.1 407.278,634.1 406.146,632.968 406.146,621.132 399.237,614.223 399.237,585.889 398.348,585 ; DD7.29@419.15,625 419.15,621.513 v1(419.658,621.005) ; v1(427.742,622.068) 428.25,622.576 ; v1(428.25,630.473) DD7.43@428.25,625 428.25,622.576 ; DD7.78@431.5,649.7 v1(431.5,651.835) 431.5,653.593 438.912,653.593 ; C54.2@435,585 435,602.514 428.25,609.264 428.25,622.576 ; DD7.57@437.35,633.45 441.187,633.45 442.519,634.781 442.519,652.272 441.198,653.593 438.912,653.593 ; L14.2@477.5,683 473.348,683 468.706,678.358 465.328,678.358 464.744,677.774 464.744,663.042 466.115,661.67 466.115,657.86 465.353,657.098 456.54,657.098 446.227,667.41 439.928,667.41 438.379,665.861 438.379,654.126 438.912,653.593
  Bottom Layer w0.25: C46.2@405,585 405.5,585.5 C48.2@412.5,585.5 413,585 C51.2@420,585 C53.2@427.5,585 C54.2@435,585 ; v1(419.658,621.005) 419.982,620.681 424.388,620.681 425.775,622.068 v1(427.742,622.068) ; v1(428.25,630.473) 426.777,630.473 426.11,631.139 426.11,636.067 428.65,638.607 428.65,648.985 v1(431.5,651.835)

## Text inside footprints (layer, text, board x,y; h text height)
ZBOAS1309081397: Mechanical 7 "0" at 338.343,2062.291 h3.07 r90; Mechanical 7 "0" at 338.343,2496.5 h3.07 r90; Mechanical 7 "10" at 328.343,2061.841 h3.07 r90; Mechanical 7 "10" at 328.343,2496.5 h3.07 r90; Mechanical 7 "20" at 318.343,2061.118 h3.07 r90; Mechanical 7 "20" at 318.343,2496.5 h3.07 r90; Mechanical 7 "30" at 308.343,2061.241 h3.07 r90; Mechanical 7 "30" at 308.343,2496.5 h3.07 r90; Mechanical 7 "40" at 298.343,2061.238 h3.07 r90; Mechanical 7 "40" at 298.343,2496.5 h3.07 r90; Mechanical 7 "50" at 288.343,2061.241 h3.07 r90; Mechanical 7 "50" at 288.343,2496.5 h3.07 r90; Mechanical 7 "60" at 278.343,2061.205 h3.07 r90; Mechanical 7 "60" at 278.343,2496.5 h3.07 r90; Mechanical 7 "70" at 268.343,2061.478 h3.07 r90; Mechanical 7 "70" at 268.343,2496.5 h3.07 r90; Mechanical 7 "80" at 258.343,2061.205 h3.07 r90; Mechanical 7 "80" at 258.343,2496.5 h3.07 r90; Mechanical 7 "90" at 248.343,2061.358 h3.07 r90; Mechanical 7 "90" at 248.343,2496.5 h3.07 r90; Mechanical 7 "100" at 238.343,2060.755 h3.07 r90; Mechanical 7 "100" at 238.343,2496.5 h3.07 r90; Mechanical 7 "110" at 228.343,2061.118 h3.07 r90; Mechanical 7 "110" at 228.343,2496.5 h3.07 r90; Mechanical 7 "120" at 218.343,2060.755 h3.07 r90; Mechanical 7 "120" at 218.343,2496.5 h3.07 r90; Mechanical 7 "130" at 208.343,2060.878 h3.07 r90; Mechanical 7 "130" at 208.343,2496.5 h3.07 r90; Mechanical 7 "140" at 198.343,2060.755 h3.07 r90; Mechanical 7 "140" at 198.343,2496.5 h3.07 r90; Mechanical 7 "150" at 188.343,2060.878 h3.07 r90; Mechanical 7 "150" at 188.343,2496.5 h3.07 r90; Mechanical 7 "160" at 178.343,2060.755 h3.07 r90; Mechanical 7 "160" at 178.343,2496.5 h3.07 r90; Mechanical 7 "170" at 168.343,2060.755 h3.07 r90; Mechanical 7 "170" at 168.343,2496.5 h3.07 r90; Mechanical 7 "180" at 158.343,2060.755 h3.07 r90; Mechanical 7 "180" at 158.343,2496.5 h3.07 r90; Mechanical 7 "190" at 148.343,2060.755 h3.07 r90; Mechanical 7 "190" at 148.343,2496.5 h3.07 r90; Mechanical 7 "200" at 138.343,2060.032 h3.07 r90; Mechanical 7 "200" at 138.343,2496.5 h3.07 r90; Mechanical 7 "210" at 128.343,2060.395 h3.07 r90; Mechanical 7 "210" at 128.343,2496.5 h3.07 r90; Mechanical 7 "220" at 118.343,2060.032 h3.07 r90; Mechanical 7 "220" at 118.343,2496.5 h3.07 r90; Mechanical 7 "230" at 108.343,2060.155 h3.07 r90; Mechanical 7 "230" at 108.343,2496.5 h3.07 r90; Mechanical 7 "240" at 98.343,2060.032 h3.07 r90; Mechanical 7 "240" at 98.343,2496.5 h3.07 r90; Mechanical 7 "250" at 88.343,2060.155 h3.07 r90; Mechanical 7 "250" at 88.343,2496.5 h3.07 r90; Mechanical 7 "260" at 78.343,2060.032 h3.07 r90; Mechanical 7 "260" at 78.343,2496.5 h3.07 r90; Mechanical 7 "270" at 68.343,2060.032 h3.07 r90; Mechanical 7 "270" at 68.343,2496.5 h3.07 r90; Mechanical 7 "280" at 58.343,2060.032 h3.07 r90; Mechanical 7 "280" at 58.343,2496.5 h3.07 r90; Mechanical 7 "290" at 48.343,2060.032 h3.07 r90; Mechanical 7 "290" at 48.343,2496.5 h3.07 r90; Mechanical 7 "0" at 341.562,2066.896 h3.07 r90; Mechanical 7 "0" at 36.843,2066.896 h3.07 r90; Mechanical 7 "10" at 341.562,2076.671 h3.07 r90; Mechanical 7 "10" at 36.843,2076.671 h3.07 r90; Mechanical 7 "20" at 341.562,2086.309 h3.07 r90; Mechanical 7 "20" at 36.843,2086.309 h3.07 r90; Mechanical 7 "30" at 341.562,2096.371 h3.07 r90; Mechanical 7 "30" at 36.843,2096.371 h3.07 r90; Mechanical 7 "40" at 341.562,2106.369 h3.07 r90; Mechanical 7 "40" at 36.843,2106.369 h3.07 r90; Mechanical 7 "50" at 341.562,2116.371 h3.07 r90; Mechanical 7 "50" at 36.843,2116.371 h3.07 r90; Mechanical 7 "60" at 341.562,2126.353 h3.07 r90; Mechanical 7 "60" at 36.843,2126.353 h3.07 r90; Mechanical 7 "70" at 341.562,2136.489 h3.07 r90; Mechanical 7 "70" at 36.843,2136.489 h3.07 r90; Mechanical 7 "80" at 341.562,2146.353 h3.07 r90; Mechanical 7 "80" at 36.843,2146.353 h3.07 r90; Mechanical 7 "90" at 341.562,2156.429 h3.07 r90; Mechanical 7 "90" at 36.843,2156.429 h3.07 r90; Mechanical 7 "100" at 341.562,2166.128 h3.07 r90; Mechanical 7 "100" at 36.843,2166.128 h3.07 r90; Mechanical 7 "110" at 341.562,2176.309 h3.07 r90; Mechanical 7 "110" at 36.843,2176.309 h3.07 r90; Mechanical 7 "120" at 341.562,2186.128 h3.07 r90; Mechanical 7 "120" at 36.843,2186.128 h3.07 r90; Mechanical 7 "130" at 341.562,2196.189 h3.07 r90; Mechanical 7 "130" at 36.843,2196.189 h3.07 r90; Mechanical 7 "140" at 341.562,2206.128 h3.07 r90; Mechanical 7 "140" at 36.843,2206.128 h3.07 r90; Mechanical 7 "150" at 341.562,2216.189 h3.07 r90; Mechanical 7 "150" at 36.843,2216.189 h3.07 r90; Mechanical 7 "160" at 341.562,2226.128 h3.07 r90; Mechanical 7 "160" at 36.843,2226.128 h3.07 r90; Mechanical 7 "170" at 341.562,2236.128 h3.07 r90; Mechanical 7 "170" at 36.843,2236.128 h3.07 r90; Mechanical 7 "180" at 341.562,2246.128 h3.07 r90; Mechanical 7 "180" at 36.843,2246.128 h3.07 r90; Mechanical 7 "190" at 341.562,2256.128 h3.07 r90; Mechanical 7 "190" at 36.843,2256.128 h3.07 r90; Mechanical 7 "200" at 341.562,2265.766 h3.07 r90; Mechanical 7 "200" at 36.843,2265.766 h3.07 r90; Mechanical 7 "210" at 341.562,2275.948 h3.07 r90; Mechanical 7 "210" at 36.843,2275.948 h3.07 r90; Mechanical 7 "220" at 341.562,2285.766 h3.07 r90; Mechanical 7 "220" at 36.843,2285.766 h3.07 r90; Mechanical 7 "230" at 341.562,2295.828 h3.07 r90; Mechanical 7 "230" at 36.843,2295.828 h3.07 r90; Mechanical 7 "240" at 341.562,2305.766 h3.07 r90; Mechanical 7 "240" at 36.843,2305.766 h3.07 r90; Mechanical 7 "250" at 341.562,2315.828 h3.07 r90; Mechanical 7 "250" at 36.843,2315.828 h3.07 r90; Mechanical 7 "260" at 341.562,2325.766 h3.07 r90; Mechanical 7 "260" at 36.843,2325.766 h3.07 r90; Mechanical 7 "270" at 341.562,2335.766 h3.07 r90; Mechanical 7 "270" at 36.843,2335.766 h3.07 r90; Mechanical 7 "280" at 341.562,2345.766 h3.07 r90; Mechanical 7 "280" at 36.843,2345.766 h3.07 r90; Mechanical 7 "290" at 341.562,2355.766 h3.07 r90; Mechanical 7 "290" at 36.843,2355.766 h3.07 r90; Mechanical 7 "300" at 341.562,2365.828 h3.07 r90; Mechanical 7 "300" at 36.843,2365.828 h3.07 r90; Mechanical 7 "310" at 341.562,2376.009 h3.07 r90; Mechanical 7 "310" at 36.843,2376.009 h3.07 r90; Mechanical 7 "320" at 341.562,2385.828 h3.07 r90; Mechanical 7 "320" at 36.843,2385.828 h3.07 r90; Mechanical 7 "330" at 341.562,2395.889 h3.07 r90; Mechanical 7 "330" at 36.843,2395.889 h3.07 r90; Mechanical 7 "340" at 341.562,2405.828 h3.07 r90; Mechanical 7 "340" at 36.843,2405.828 h3.07 r90; Mechanical 7 "350" at 341.562,2415.889 h3.07 r90; Mechanical 7 "350" at 36.843,2415.889 h3.07 r90; Mechanical 7 "360" at 341.562,2425.828 h3.07 r90; Mechanical 7 "360" at 36.843,2425.828 h3.07 r90; Mechanical 7 "370" at 341.562,2435.828 h3.07 r90; Mechanical 7 "370" at 36.843,2435.828 h3.07 r90; Mechanical 7 "380" at 341.562,2445.828 h3.07 r90; Mechanical 7 "380" at 36.843,2445.828 h3.07 r90; Mechanical 7 "390" at 341.562,2455.828 h3.07 r90; Mechanical 7 "390" at 36.843,2455.828 h3.07 r90; Mechanical 7 "400" at 341.562,2465.826 h3.07 r90; Mechanical 7 "400" at 36.843,2465.826 h3.07 r90; Mechanical 7 "410" at 341.562,2476.008 h3.07 r90; Mechanical 7 "410" at 36.843,2476.008 h3.07 r90; Mechanical 7 "420" at 341.562,2485.826 h3.07 r90; Mechanical 7 "420" at 36.843,2485.826 h3.07 r90
ZBOAS1811081397: Mechanical 7 "0" at 428.343,2062.291 h3.07 r90; Mechanical 7 "0" at 428.343,2496.5 h3.07 r90; Mechanical 7 "10" at 438.343,2061.841 h3.07 r90; Mechanical 7 "10" at 438.343,2496.5 h3.07 r90; Mechanical 7 "20" at 448.343,2061.118 h3.07 r90; Mechanical 7 "20" at 448.343,2496.5 h3.07 r90; Mechanical 7 "30" at 458.343,2061.241 h3.07 r90; Mechanical 7 "30" at 458.343,2496.5 h3.07 r90; Mechanical 7 "40" at 468.343,2061.238 h3.07 r90; Mechanical 7 "40" at 468.343,2496.5 h3.07 r90; Mechanical 7 "50" at 478.343,2061.241 h3.07 r90; Mechanical 7 "50" at 478.343,2496.5 h3.07 r90; Mechanical 7 "60" at 488.343,2061.205 h3.07 r90; Mechanical 7 "60" at 488.343,2496.5 h3.07 r90; Mechanical 7 "70" at 498.343,2061.478 h3.07 r90; Mechanical 7 "70" at 498.343,2496.5 h3.07 r90; Mechanical 7 "80" at 508.343,2061.205 h3.07 r90; Mechanical 7 "80" at 508.343,2496.5 h3.07 r90; Mechanical 7 "90" at 518.343,2061.358 h3.07 r90; Mechanical 7 "90" at 518.343,2496.5 h3.07 r90; Mechanical 7 "100" at 528.343,2060.755 h3.07 r90; Mechanical 7 "100" at 528.343,2496.5 h3.07 r90; Mechanical 7 "110" at 538.343,2061.118 h3.07 r90; Mechanical 7 "110" at 538.343,2496.5 h3.07 r90; Mechanical 7 "120" at 548.343,2060.755 h3.07 r90; Mechanical 7 "120" at 548.343,2496.5 h3.07 r90; Mechanical 7 "130" at 558.343,2060.878 h3.07 r90; Mechanical 7 "130" at 558.343,2496.5 h3.07 r90; Mechanical 7 "140" at 568.343,2060.755 h3.07 r90; Mechanical 7 "140" at 568.343,2496.5 h3.07 r90; Mechanical 7 "150" at 578.343,2060.878 h3.07 r90; Mechanical 7 "150" at 578.343,2496.5 h3.07 r90; Mechanical 7 "160" at 588.343,2060.755 h3.07 r90; Mechanical 7 "160" at 588.343,2496.5 h3.07 r90; Mechanical 7 "170" at 598.343,2060.755 h3.07 r90; Mechanical 7 "170" at 598.343,2496.5 h3.07 r90; Mechanical 7 "180" at 608.343,2060.755 h3.07 r90; Mechanical 7 "180" at 608.343,2496.5 h3.07 r90; Mechanical 7 "190" at 618.343,2060.755 h3.07 r90; Mechanical 7 "190" at 618.343,2496.5 h3.07 r90; Mechanical 7 "200" at 628.343,2060.032 h3.07 r90; Mechanical 7 "200" at 628.343,2496.5 h3.07 r90; Mechanical 7 "210" at 638.343,2060.395 h3.07 r90; Mechanical 7 "210" at 638.343,2496.5 h3.07 r90; Mechanical 7 "220" at 648.343,2060.032 h3.07 r90; Mechanical 7 "220" at 648.343,2496.5 h3.07 r90; Mechanical 7 "230" at 658.343,2060.155 h3.07 r90; Mechanical 7 "230" at 658.343,2496.5 h3.07 r90; Mechanical 7 "240" at 668.343,2060.032 h3.07 r90; Mechanical 7 "240" at 668.343,2496.5 h3.07 r90; Mechanical 7 "250" at 678.343,2060.155 h3.07 r90; Mechanical 7 "250" at 678.343,2496.5 h3.07 r90; Mechanical 7 "260" at 688.343,2060.032 h3.07 r90; Mechanical 7 "260" at 688.343,2496.5 h3.07 r90; Mechanical 7 "270" at 698.343,2060.032 h3.07 r90; Mechanical 7 "270" at 698.343,2496.5 h3.07 r90; Mechanical 7 "280" at 708.343,2060.032 h3.07 r90; Mechanical 7 "280" at 708.343,2496.5 h3.07 r90; Mechanical 7 "290" at 718.343,2060.032 h3.07 r90; Mechanical 7 "290" at 718.343,2496.5 h3.07 r90; Mechanical 7 "0" at 423.8,2066.896 h3.07 r90; Mechanical 7 "0" at 729.843,2066.896 h3.07 r90; Mechanical 7 "10" at 423.8,2076.671 h3.07 r90; Mechanical 7 "10" at 729.843,2076.671 h3.07 r90; Mechanical 7 "20" at 423.8,2086.309 h3.07 r90; Mechanical 7 "20" at 729.843,2086.309 h3.07 r90; Mechanical 7 "30" at 423.8,2096.371 h3.07 r90; Mechanical 7 "30" at 729.843,2096.371 h3.07 r90; Mechanical 7 "40" at 423.8,2106.369 h3.07 r90; Mechanical 7 "40" at 729.843,2106.369 h3.07 r90; Mechanical 7 "50" at 423.8,2116.371 h3.07 r90; Mechanical 7 "50" at 729.843,2116.371 h3.07 r90; Mechanical 7 "60" at 423.8,2126.353 h3.07 r90; Mechanical 7 "60" at 729.843,2126.353 h3.07 r90; Mechanical 7 "70" at 423.8,2136.489 h3.07 r90; Mechanical 7 "70" at 729.843,2136.489 h3.07 r90; Mechanical 7 "80" at 423.8,2146.353 h3.07 r90; Mechanical 7 "80" at 729.843,2146.353 h3.07 r90; Mechanical 7 "90" at 423.8,2156.429 h3.07 r90; Mechanical 7 "90" at 729.843,2156.429 h3.07 r90; Mechanical 7 "100" at 423.8,2166.128 h3.07 r90; Mechanical 7 "100" at 729.843,2166.128 h3.07 r90; Mechanical 7 "110" at 423.8,2176.309 h3.07 r90; Mechanical 7 "110" at 729.843,2176.309 h3.07 r90; Mechanical 7 "120" at 423.8,2186.128 h3.07 r90; Mechanical 7 "120" at 729.843,2186.128 h3.07 r90; Mechanical 7 "130" at 423.8,2196.189 h3.07 r90; Mechanical 7 "130" at 729.843,2196.189 h3.07 r90; Mechanical 7 "140" at 423.8,2206.128 h3.07 r90; Mechanical 7 "140" at 729.843,2206.128 h3.07 r90; Mechanical 7 "150" at 423.8,2216.189 h3.07 r90; Mechanical 7 "150" at 729.843,2216.189 h3.07 r90; Mechanical 7 "160" at 423.8,2226.128 h3.07 r90; Mechanical 7 "160" at 729.843,2226.128 h3.07 r90; Mechanical 7 "170" at 423.8,2236.128 h3.07 r90; Mechanical 7 "170" at 729.843,2236.128 h3.07 r90; Mechanical 7 "180" at 423.8,2246.128 h3.07 r90; Mechanical 7 "180" at 729.843,2246.128 h3.07 r90; Mechanical 7 "190" at 423.8,2256.128 h3.07 r90; Mechanical 7 "190" at 729.843,2256.128 h3.07 r90; Mechanical 7 "200" at 423.8,2265.766 h3.07 r90; Mechanical 7 "200" at 729.843,2265.766 h3.07 r90; Mechanical 7 "210" at 423.8,2275.948 h3.07 r90; Mechanical 7 "210" at 729.843,2275.948 h3.07 r90; Mechanical 7 "220" at 423.8,2285.766 h3.07 r90; Mechanical 7 "220" at 729.843,2285.766 h3.07 r90; Mechanical 7 "230" at 423.8,2295.828 h3.07 r90; Mechanical 7 "230" at 729.843,2295.828 h3.07 r90; Mechanical 7 "240" at 423.8,2305.766 h3.07 r90; Mechanical 7 "240" at 729.843,2305.766 h3.07 r90; Mechanical 7 "250" at 423.8,2315.828 h3.07 r90; Mechanical 7 "250" at 729.843,2315.828 h3.07 r90; Mechanical 7 "260" at 423.8,2325.766 h3.07 r90; Mechanical 7 "260" at 729.843,2325.766 h3.07 r90; Mechanical 7 "270" at 423.8,2335.766 h3.07 r90; Mechanical 7 "270" at 729.843,2335.766 h3.07 r90; Mechanical 7 "280" at 423.8,2345.766 h3.07 r90; Mechanical 7 "280" at 729.843,2345.766 h3.07 r90; Mechanical 7 "290" at 423.8,2355.766 h3.07 r90; Mechanical 7 "290" at 729.843,2355.766 h3.07 r90; Mechanical 7 "300" at 423.8,2365.828 h3.07 r90; Mechanical 7 "300" at 729.843,2365.828 h3.07 r90; Mechanical 7 "310" at 423.8,2376.009 h3.07 r90; Mechanical 7 "310" at 729.843,2376.009 h3.07 r90; Mechanical 7 "320" at 423.8,2385.828 h3.07 r90; Mechanical 7 "320" at 729.843,2385.828 h3.07 r90; Mechanical 7 "330" at 423.8,2395.889 h3.07 r90; Mechanical 7 "330" at 729.843,2395.889 h3.07 r90; Mechanical 7 "340" at 423.8,2405.828 h3.07 r90; Mechanical 7 "340" at 729.843,2405.828 h3.07 r90; Mechanical 7 "350" at 423.8,2415.889 h3.07 r90; Mechanical 7 "350" at 729.843,2415.889 h3.07 r90; Mechanical 7 "360" at 423.8,2425.828 h3.07 r90; Mechanical 7 "360" at 729.843,2425.828 h3.07 r90; Mechanical 7 "370" at 423.8,2435.828 h3.07 r90; Mechanical 7 "370" at 729.843,2435.828 h3.07 r90; Mechanical 7 "380" at 423.8,2445.828 h3.07 r90; Mechanical 7 "380" at 729.843,2445.828 h3.07 r90; Mechanical 7 "390" at 423.8,2455.828 h3.07 r90; Mechanical 7 "390" at 729.843,2455.828 h3.07 r90; Mechanical 7 "400" at 423.8,2465.826 h3.07 r90; Mechanical 7 "400" at 729.843,2465.826 h3.07 r90; Mechanical 7 "410" at 423.8,2476.008 h3.07 r90; Mechanical 7 "410" at 729.843,2476.008 h3.07 r90; Mechanical 7 "420" at 423.8,2485.826 h3.07 r90; Mechanical 7 "420" at 729.843,2485.826 h3.07 r90